# Altium PCB PCB_Top_Rev4.PcbDoc
Units mil, origin at the board's own origin, x right, y up, seen from the top; angles counter-clockwise.
Board outline 1100 x 2384.46 mil, 4 copper layers (Top Layer, Layer 1 - Power, Layer 2 - GND, Bottom Layer), stack 61.256 mil thick; 76 components, 68 nets, 310 pads, 93 vias.
Unrouted connection lines stored in the file: 2.
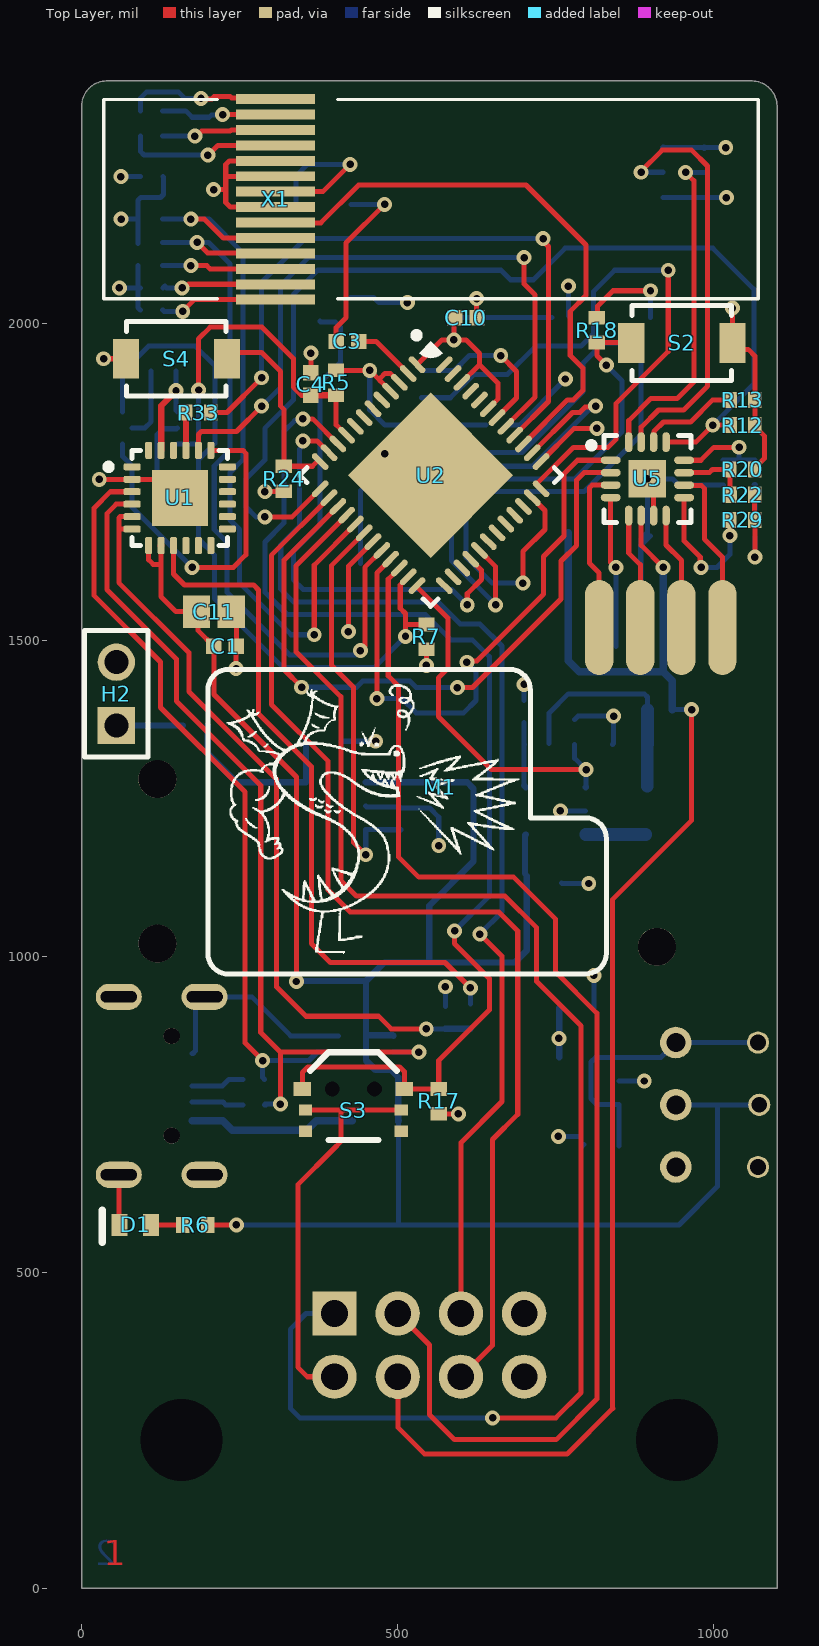
[diagram p0: Top Layer view]
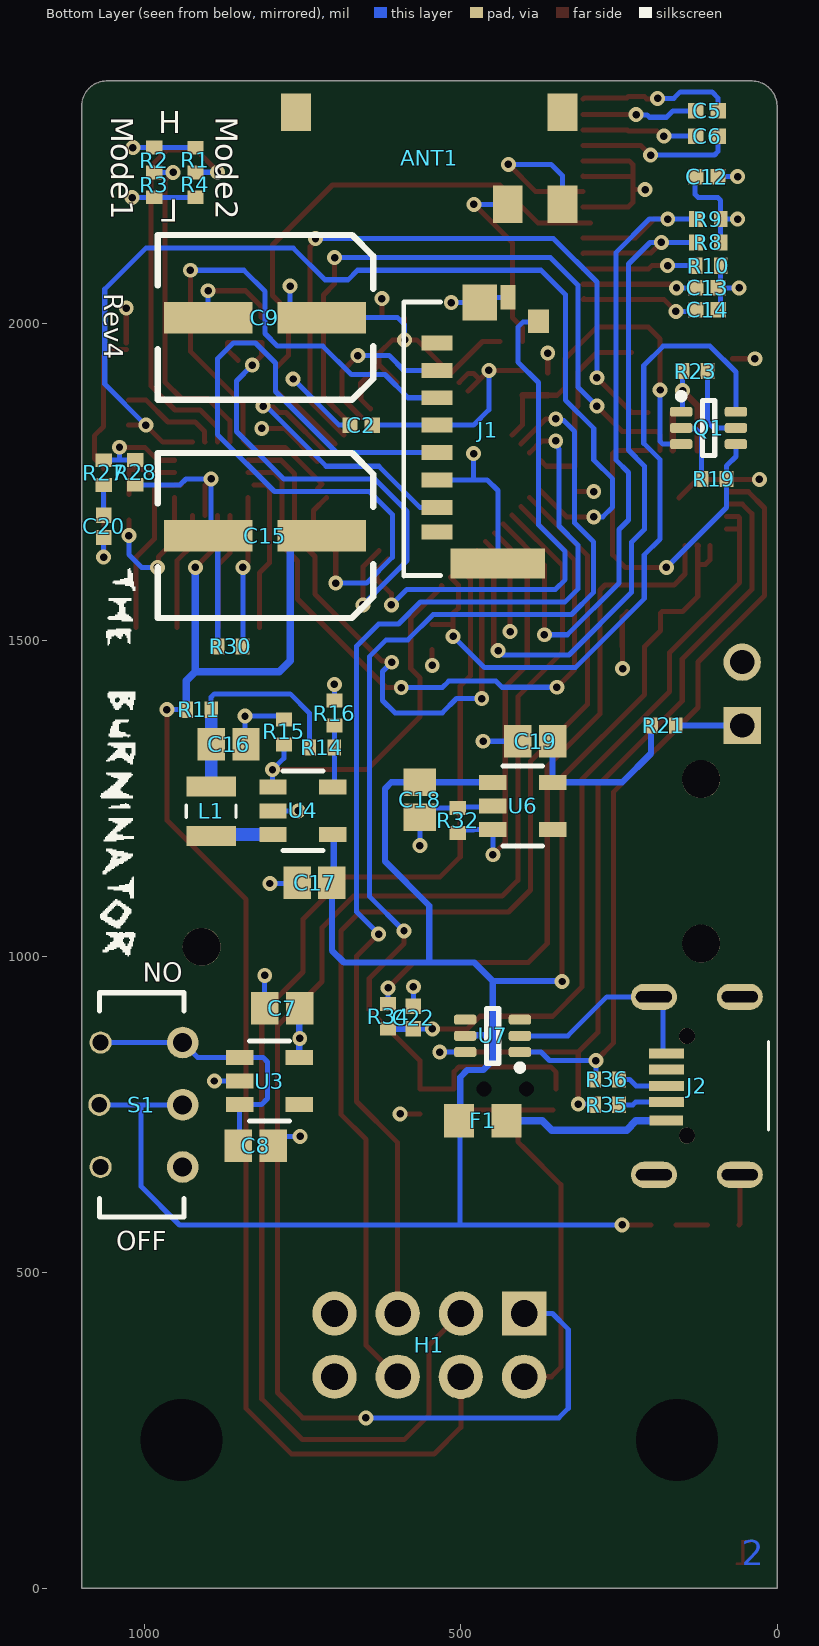
[diagram p1: Bottom Layer view, seen from below]
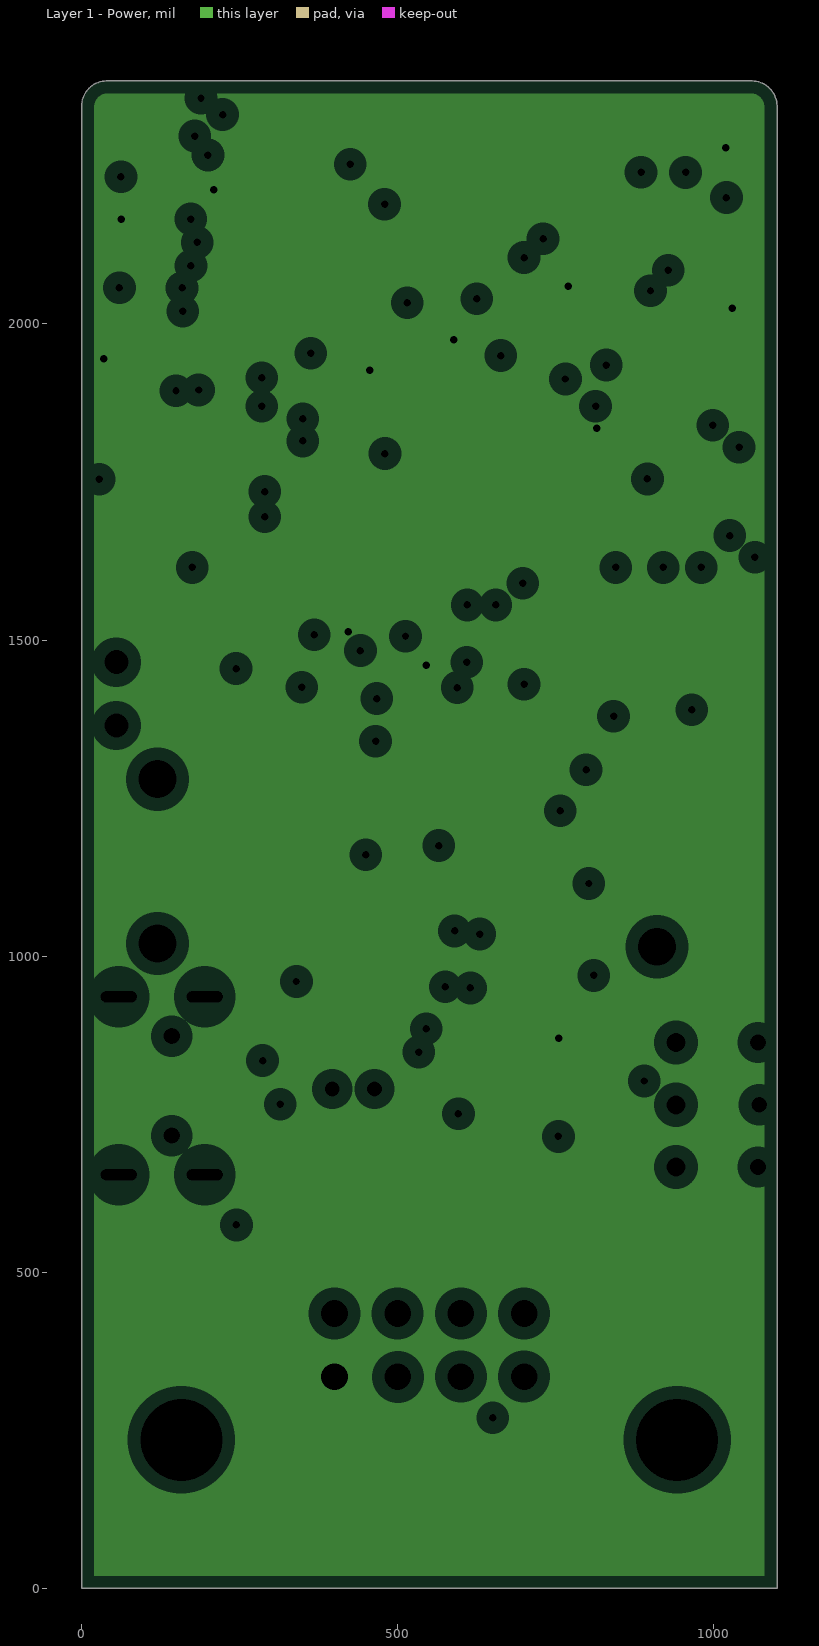
[diagram p2: Layer 1 - Power, clearances drawn from the general rule]
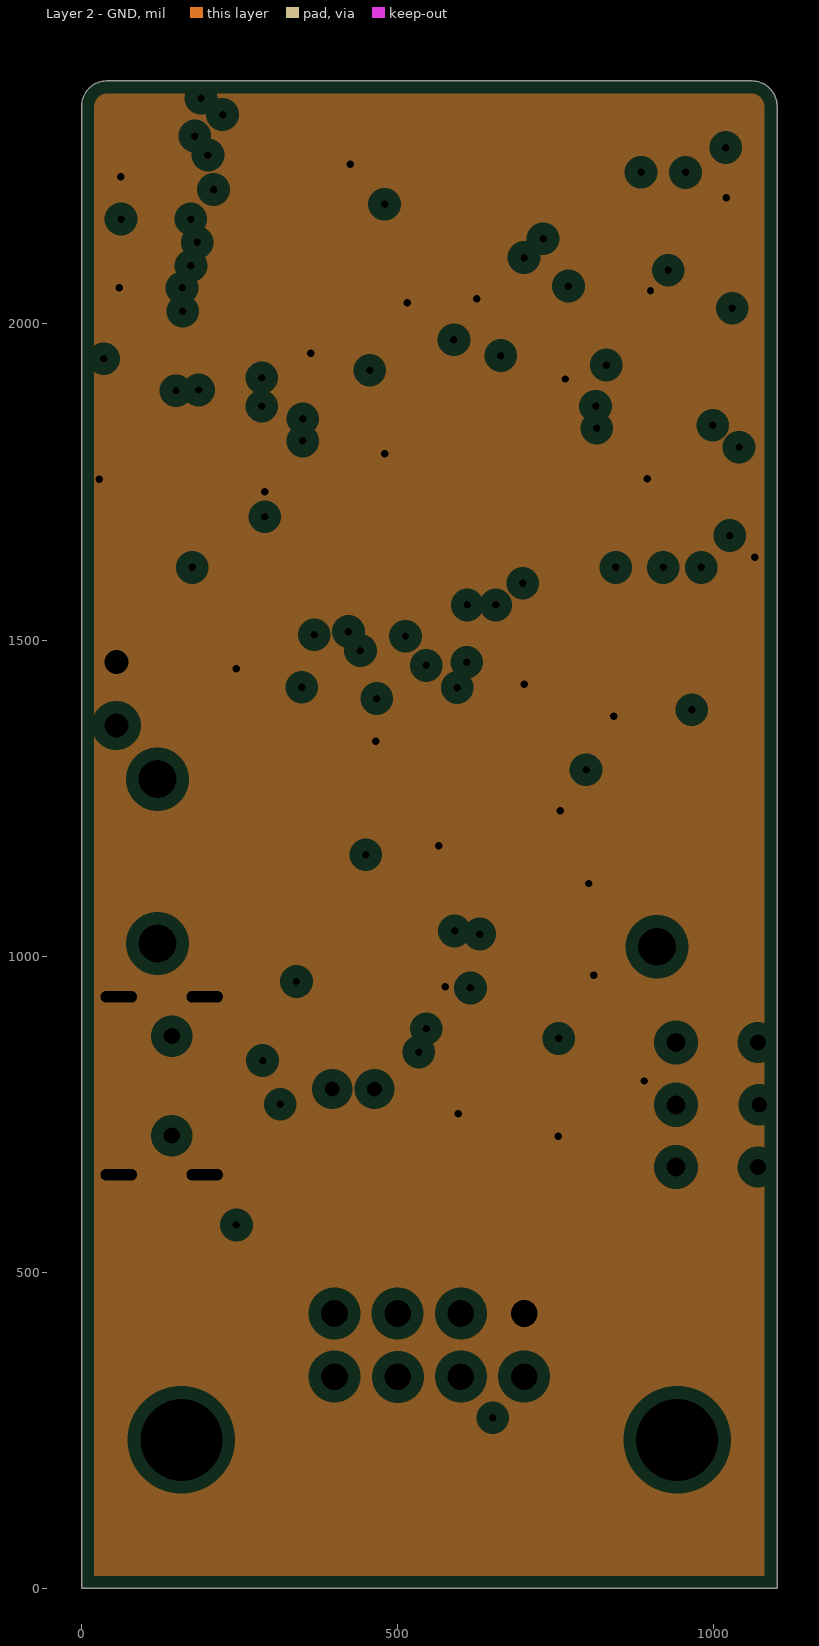
[diagram p3: Layer 2 - GND, clearances drawn from the general rule]
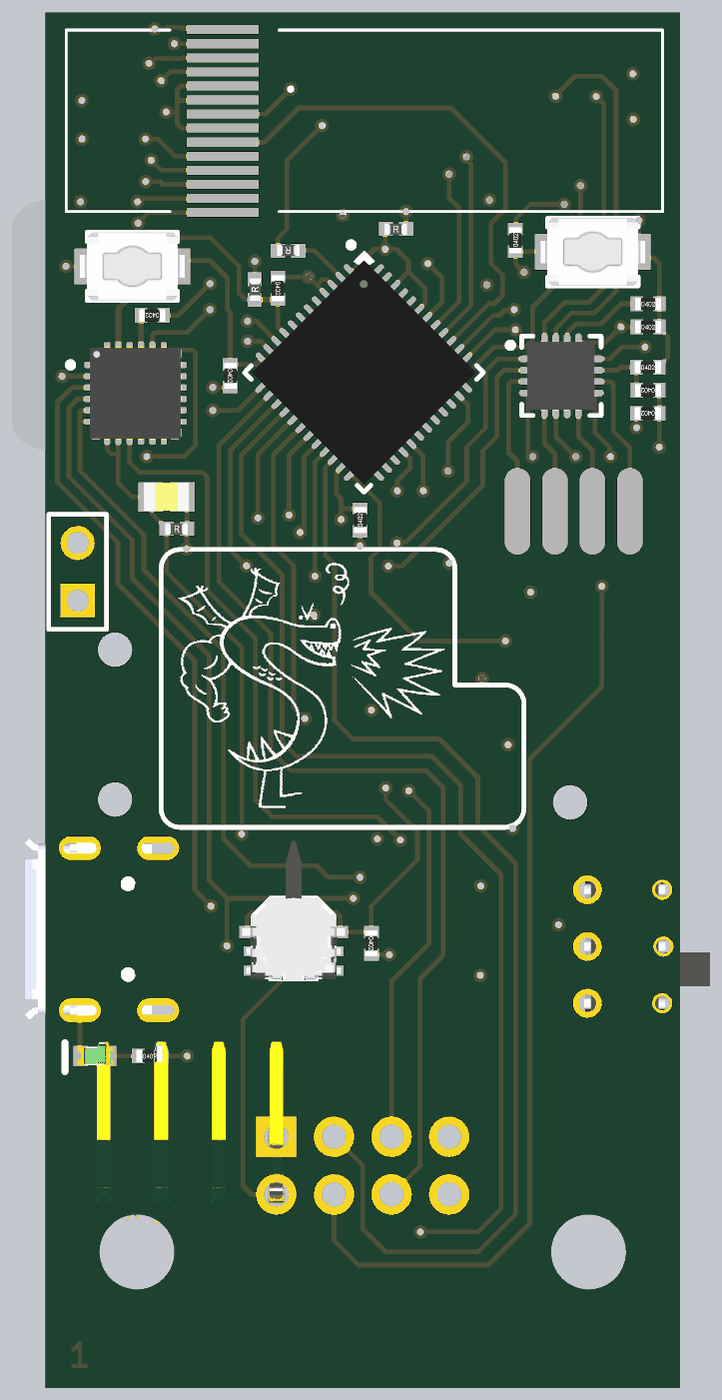
[diagram p4: 3D render of the assembled board from above, using the file's embedded part models]
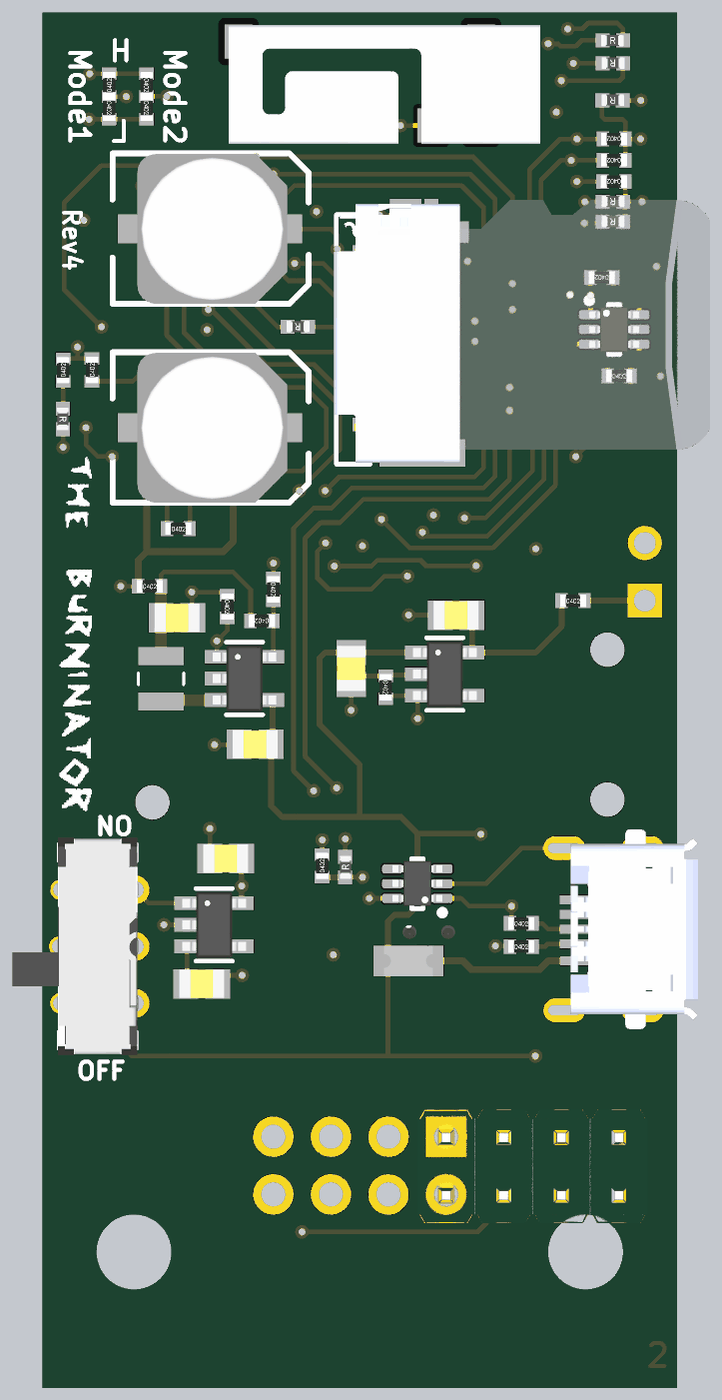
[diagram p5: 3D render of the assembled board from below, using the file's embedded part models]

## Layer stack, top to bottom
Top Solder: solder mask 0.4, Solder Resist, Dk 3.5
Top Layer: signal copper 1.4
Dielectric 2: prepreg 2.8, PP-006, Dk 4.1
Layer 1 - Power: plane copper 1.378, net +3.3V
Dielectric 1: dielectric 50.1, FR-4, Dk 4.8
Layer 2 - GND: plane copper 1.378, net GND
Dielectric 3: prepreg 2.8, PP-006, Dk 4.1
Bottom Layer: signal copper 1.4
Bottom Solder: solder mask 0.4, Solder Resist, Dk 3.5

## Board outline
0,0 0,2345 cw(c40,2344.47) 39.46,2384.46 1060.54,2384.46 cw(c1060,2344.47) 1100,2345 1100,0

## Design rules (kind name [scope] priority, off if disabled: settings)
Clearance Clearance_U6 [All vs InComponent('U6')] p1: gap=5 ignorepadtopadclearanceinfootprint=FALSE
Clearance Clearance_Q1 [InComponent('Q1')] p2: gap=7 ignorepadtopadclearanceinfootprint=FALSE
Clearance Clearance_J2 [InComponent('J2')] p3: gap=9.5 ignorepadtopadclearanceinfootprint=FALSE
Clearance Clearance_U7 [InComponent('U7')] p4: gap=9.5 ignorepadtopadclearanceinfootprint=FALSE
Clearance Clearance_U2 [InComponent('U2')] p5: gap=7.5 ignorepadtopadclearanceinfootprint=FALSE
Clearance Clearance_U1 [All vs InComponent('U1')] p6: gap=7.5 ignorepadtopadclearanceinfootprint=FALSE
Clearance Clearance_U5 [InComponent('U5')] p7: gap=7.5 ignorepadtopadclearanceinfootprint=FALSE
Clearance Clearance_X1 [InComponent('X1')] p8: gap=8 ignorepadtopadclearanceinfootprint=FALSE
Clearance [All] p9: gap=10 ignorepadtopadclearanceinfootprint=FALSE except(0: Arc-Hole Track-Hole SMDPad-Hole THPad-Hole Via-Hole Fill-Hole Poly-Hole Region-Hole Text-Hole)
HoleSize [All] p1: absolutevalues=TRUE maxlimit=1000 minlimit=1 maxpercent=80.000 minpercent=20.000
MinimumSolderMaskSliver [All] p1: minsoldermaskwidth=3
PlaneClearance [All] p1: clearance=20
PlaneConnect PlaneConnect_Via [(IsVia)] p1: planeconnectstyle=Direct reliefexpansion=20 reliefentries=4 reliefconductorwidth=10 reliefairgap=10
PlaneConnect [All] p2: planeconnectstyle=Relief reliefexpansion=20 reliefentries=4 reliefconductorwidth=10 reliefairgap=10
PolygonConnect [All] p1: connectstyle=Relief reliefconductorwidth=10 reliefentries=4 polygonreliefangle="90 Angle" airgapwidth=10
RoutingVias [All] p1: holewidth=28 width=50 viastyle="Through Hole" minholewidth=28 minwidth=50 maxholewidth=28 maxwidth=50
SilkToSilkClearance [All] p1: silktosilkclearance=5
SilkToSolderMaskClearance [IsPad] p1: minsilkscreentomaskgap=3 clearancetoexposedcopper=TRUE
SolderMaskExpansion [All] p1: expansion=1 istentingtop=FALSE
Width [All] p1: maxlimit=25 minlimit=8 preferedwidth=8
24 further rules are at their usual default settings.

## Components (designator, comment, footprint, x,y, rotation, side; value= is the part's Value field where it differs from the comment)
ANT1 "RF ANT 2.4GHZ STAMPED MET SLD" PRO-OB-440 339.37,2189.33 r270 bottom locked
C1 "0.1uF" CAPC1005X56N 227.09,1490 r0 top
C2 "0.1uF" CAPC1005X56N 657.72,1840 r0 bottom
C3 "1.5pF" CAPC1005X56N 420.39,1972.32 r180 top
C4 "0.1uF" CAPC1005X56N 362.68,1905.04 r90 top
C5 "1uF" CAPC1005X56N 110.72,2337.24 r180 bottom
C6 "1uF" CAPC1005X56N 110.72,2297.24 r0 bottom
C7 "10uF" CAPC2012X140N 782.76,917.6 r0 bottom
C8 "10uF" CAPC2012X140N 824.37,700 r180 bottom
C9 "150uF" CAP_SM_CAN_0.250_DIA 720,2010 r270 bottom locked
C10 "0.1uF" CAPC1005X56N 607.72,2010 r0 top
C11 "10uF" CAPC2012X140N 209.37,1545 r0 top
C12 "1uF" CAPC1005X56N 111.01,2232.97 r0 bottom
C13 "4.7uF" CAPC1005X56N 110.72,2057.24 r0 bottom
C14 "2.2uF" CAPC1005X56N 110.72,2022.24 r0 bottom
C15 "150uF" CAP_SM_CAN_0.250_DIA 720,1665 r270 bottom locked
C16 "10uF" CAPC2012X140N 867.44,1335 r180 bottom
C17 "10uF" CAPC2012X140N 731.56,1116 r0 bottom
C18 "10uF" CAPC2012X140N 565,1247.44 r270 bottom
C19 "10uF" CAPC2012X140N 382.56,1340 r0 bottom
C20 "22nF" CAPC1005X56N 1065,1680 r270 bottom
C22 "0.1uF" CAPC1005X56N 575.3,902.87 r90 bottom
D1 "Green" LED1608X55N-GREEN 85,575 r0 top
F1 "500mA" PTC2012X70L 465.4,740 r180 bottom value="1A Fuse"
H1 "CON4X2" HDR2X4_RA 550,384.8 r270 bottom value="Male 4X2"
H2 "CON2" HDR1X2-EMPTY 55,1415 r90 top
J1 "MicroSD" 0473092851 420.6,2042.24 r90 bottom locked
J2 "Micro USB" U254-051N-4BH806 175,795 r90 bottom locked
L1 "2.2uH" IND_2mmx2mm 895,1229.37 r90 bottom
M1 "Linear Motor" Motor_Mini_Linear_1 120,1280 r0 top locked
Q1 "BC847S" SOT65P210X110-6N 108.31,1834.61 r180 bottom
R1 "10K" RESC1005X40L 920,2259.32 r270 bottom
R2 "10K" RESC1005X40L 985,2259.37 r90 bottom
R3 "10K" RESC1005X40L 985,2220 r270 bottom
R4 "10K" RESC1005X40L 920,2220 r270 bottom
R5 "10K" RESC1005X40L 402.68,1907.01 r270 top
R6 "22.1K" RESC1005X40L 179.68,575 r0 top
R7 "10K" RESC1005X40L 545.37,1505 r90 top
R8 "2K" RESC1005X40L 108.57,2129 r0 bottom
R9 "2K" RESC1005X40L 108.57,2166 r0 bottom
R10 "390K" RESC1005X40L 108.75,2092.24 r0 bottom
R11 "0R" RESC1005X40L 914.79,1389.89 r180 bottom
R12 "47K" RESC1005X40L 1045.32,1840 r0 top
R13 "10K" RESC1005X40L 1045.32,1880 r0 top
R14 "100K" RESC1005X40L 720,1330 r0 bottom
R15 "10K" RESC1005X40L 780,1354.69 r270 bottom
R16 "49.9K" RESC1005X40L 700,1384.69 r270 bottom
R17 "10K" RESC1005X40L 565,770.32 r270 top
R18 "10K" RESC1005X40L 815,1990.31 r90 top
R19 "10K" RESC1005X40L 99.69,1755 r180 bottom
R20 "90.9K" RESC1005X40L 1045,1770 r0 top
R21 "0R" RESC1005X40L 179.69,1365 r180 bottom
R22 "4.99K" RESC1005X40L 1045.2,1730 r180 top
R23 "10K" RESC1005X40L 129.69,1925.59 r0 bottom
R24 "10K" RESC1005X40L 319.88,1755.32 r270 top
R27 "1K" RESC1005X40L 1065,1765 r90 bottom
R28 "10K" RESC1005X40L 1015,1765.32 r90 bottom
R29 "0.2R" RESC1005X40L 1045,1690 r180 top
R30 "0.2R" RESC1005X40L 865,1490 r180 bottom
R32 "10K" RESC1005X40L 505,1214.69 r270 bottom
R33 "470R" RESC1005X40L 184.69,1860 r180 top
R34 "10K" RESC1005X40L 615.3,904.84 r90 bottom
R35 "22R" RESC1005X40L 269.69,765 r180 bottom
R36 "22R" RESC1005X40L 269.69,805 r180 bottom
S1 "Toggle Switch" SK-3245D-02-L4 1005,765 r270 bottom
S2 "Pushbutton" TL1015AF160QG 949.37,1970 r0 top locked
S3 "Limit Switch" SSCQ110100 430,790 r0 top
S4 "Pushbutton" TL1015AF160QG 150,1945 r180 top
U1 "CP2104N" 24-QFN 155.3,1724.84 r0 top
U2 "ESP32-PICO-D4" QFN48 552.07,1760.86 r315 top
U3 "HT7833" SOT95P280X144-5N 802.76,802.6 r180 bottom
U4 "RT8096CHGJ5" SOT95P280X144-5N 750,1230 r180 bottom value="Step Down"
U5 "STSPIN220" 16QFN 895,1755 r0 top locked
U6 "HT7833" SOT95P280X144-5N 402.24,1237.6 r180 bottom
U7 "PESD5V0L5UY" SOT65P210X110-6N 450,875 r0 bottom value=ESD
X1 "OLED_GLASS 96x16" "OLED_GLASS 96x16" 35,2040 r180 top locked

## Footprints (in the part's own frame and the unit in brackets; to place one, negate y for a bottom-side part, rotate by r counter-clockwise, add the part's x,y. Pads: shape width x height; smd on the part's side, far side on the other; paste and mask are expansions set on the pad)
16QFN [mm] "16QFN"
  oval 0.8x0.3 smd: 1(-1.475,0.75) 2(-1.475,0.25) 3(-1.475,-0.25) 4(-1.475,-0.75) 9(1.475,-0.75) 10(1.475,-0.25) 11(1.475,0.25) 12(1.475,0.75)
  oval 0.3x0.8 smd: 5(-0.75,-1.475) 6(-0.25,-1.475) 7(0.25,-1.475) 8(0.75,-1.475) 13(0.75,1.475) 14(0.25,1.475) 15(-0.25,1.475) 16(-0.75,1.475)
  rect 1.5x1.5 smd paste-1.05: 17(0,0)
  silkscreen extent -2.37,-1.75 1.75,1.75, body extent -1.55,-1.52 1.49,1.52, height 0.9
24-QFN [mm] "24-QFN Exposed Pad (4x4)"
  rrect50% 0.69x0.28 smd: 1(-1.912,1.25) 2(-1.912,0.75) 3(-1.912,0.25) 4(-1.912,-0.25) 5(-1.912,-0.75) 6(-1.912,-1.25) 13(1.913,-1.25) 14(1.913,-0.75) 15(1.913,-0.25) 16(1.913,0.25) 17(1.913,0.75) 18(1.913,1.25)
  rrect50% 0.28x0.69 smd: 7(-1.25,-1.913) 8(-0.75,-1.913) 9(-0.25,-1.913) 10(0.25,-1.913) 11(0.75,-1.913) 12(1.25,-1.913) 19(1.25,1.913) 20(0.75,1.913) 21(0.25,1.913) 22(-0.25,1.913) 23(-0.75,1.913) 24(-1.25,1.913)
  rect 2.25x2.25 smd paste-1.3: 25(0,0)
  silkscreen extent -2.99,-1.91 1.91,1.91, body extent -2.05,-2.04 2.05,2.06, height 1.08
0473092851 [mm] "CONN MICRO SD CARD PUSH-PULL R/A"
  rect 0.6x1.25 smd: 1(-1.837,2.982) 2(-2.937,2.982) 3(-4.037,2.982) 4(-5.137,2.982) 5(-6.237,2.982) 6(-7.337,2.982) 7(-8.437,2.982) 8(-9.437,2.982)
  rect 1.2x3.79 smd: G1(-10.691,0.531)
  rect 1.45x1.4 smd: G2(-0.215,1.263)
  rect 1x0.6 smd: G3(0,0.127)
  rect 0.95x0.85 smd: G4(-0.962,-1.097)
  silkscreen extent -11.19,2.83 -0.19,4.31, body extent -11.11,-12.17 0.46,4.38, height 2.88
CAP_SM_CAN_0.250_DIA [mil] "SMD Eledtrolytic Capacitor 0.250 DIA"
  rect 50x140 smd: 1(0,0) 2(0,-180)
  silkscreen extent -131,-259 130,81, body extent -130,-216 130,44, height 240
CAPC1005X56N [mm] "Chip Capacitor, 2-Leads, Body 1.0x0.5mm, IPC Medium Density (0402 ceramic)"
  rect 0.62x0.62 smd: 1(-0.45,0) 2(0.45,0)
  body extent -0.55,-0.3 0.55,0.3, height 0.6
CAPC2012X140N [mm] "Chip Capacitor, 2-Leads, Body 2.0x1.3mm, IPC Medium Density (0805 ceramic)"
  rect 1.1x1.3 smd: 1(-0.7,0) 2(0.7,0)
  body extent -1,-0.62 1,0.63, height 1.24
HDR1X2-EMPTY [mm]
  rect 1.5x1.5 hole 0.965: 1(-1.27,0)
  round 1.5 hole 0.965: 2(1.27,0)
  silkscreen extent -2.54,-1.27 2.54,1.27
HDR2X4_RA [mil]
  rect 70x70 hole 42.13: 1(-50.1,150)
  round 70 hole 42.13: 2(49.9,150) 3(-50.1,50) 4(50.1,49.8) 5(-50.1,-50) 6(49.9,-50) 7(-50.1,-150) 8(49.9,-150)
  body extent -215,100 100,500, height 337
IND_2mmx2mm [mm] "Inductor 2mmx2mm"
  rect 0.8x2 smd: 1(-1,0) 2(1,0)
  silkscreen extent -0.25,-1 0.25,1, body extent -1,-1 1,1, height 1.2
LED1608X55N-GREEN [mil] "Chip LED GREEN 2-Leads, Body 1.6x0.8mm, IPC Medium Density (0603 med)"
  rect 25x35 smd: 1(-25,0) 2(25,0)
  silkscreen extent -52,-27 -52,23, body extent -31,-16 31,16, height 24
Motor_Mini_Linear_1 [mil] "SMT"
  oval 45x150 smd: 1(893.75,240) 2(828.75,240) 3(763.75,240) 4(698.75,240)
  round 60 hole 60 unplated: ""(0,-260) ""(0,0) ""(790,-265)
  silkscreen extent 80,-308 710,174
"OLED_GLASS 96x16" [mm] "OLED_GLASS 96x16"
  rect 3.175x0.4 smd: 1(-6.9,-8.02) 2(-6.9,-7.4) 3(-6.9,-6.78) 4(-6.9,-6.16) 5(-6.9,-5.54) 6(-6.9,-4.92) 7(-6.9,-4.3) 8(-6.9,-3.68) 9(-6.9,-3.06) 10(-6.9,-2.44) 11(-6.9,-1.82) 12(-6.9,-1.2) 13(-6.9,-0.58) 14(-6.9,0.04)
  silkscreen extent -26.3,-8 0,0, body extent -26.3,-8 0,0, height 2
PRO-OB-440 [mm] "RF ANT 2.4GHZ STAMPED MET SLD"
  rect 1.5x1.2 smd mask+0.2: 1(0,0) 2(0,-2.2)
  rect 1.5x1.2 smd mask+0.3: 3(-3.7,0) 4(-3.7,-10.7)
  body extent -4.42,-11.14 0.81,2.61, height 3.56
PTC2012X70L [mm] "Chip Fuse, 2-Leads, Body 2.0x1.3mm, IPC Medium Density (0805)"